# KiCad board fpga.kicad_pcb (continued)
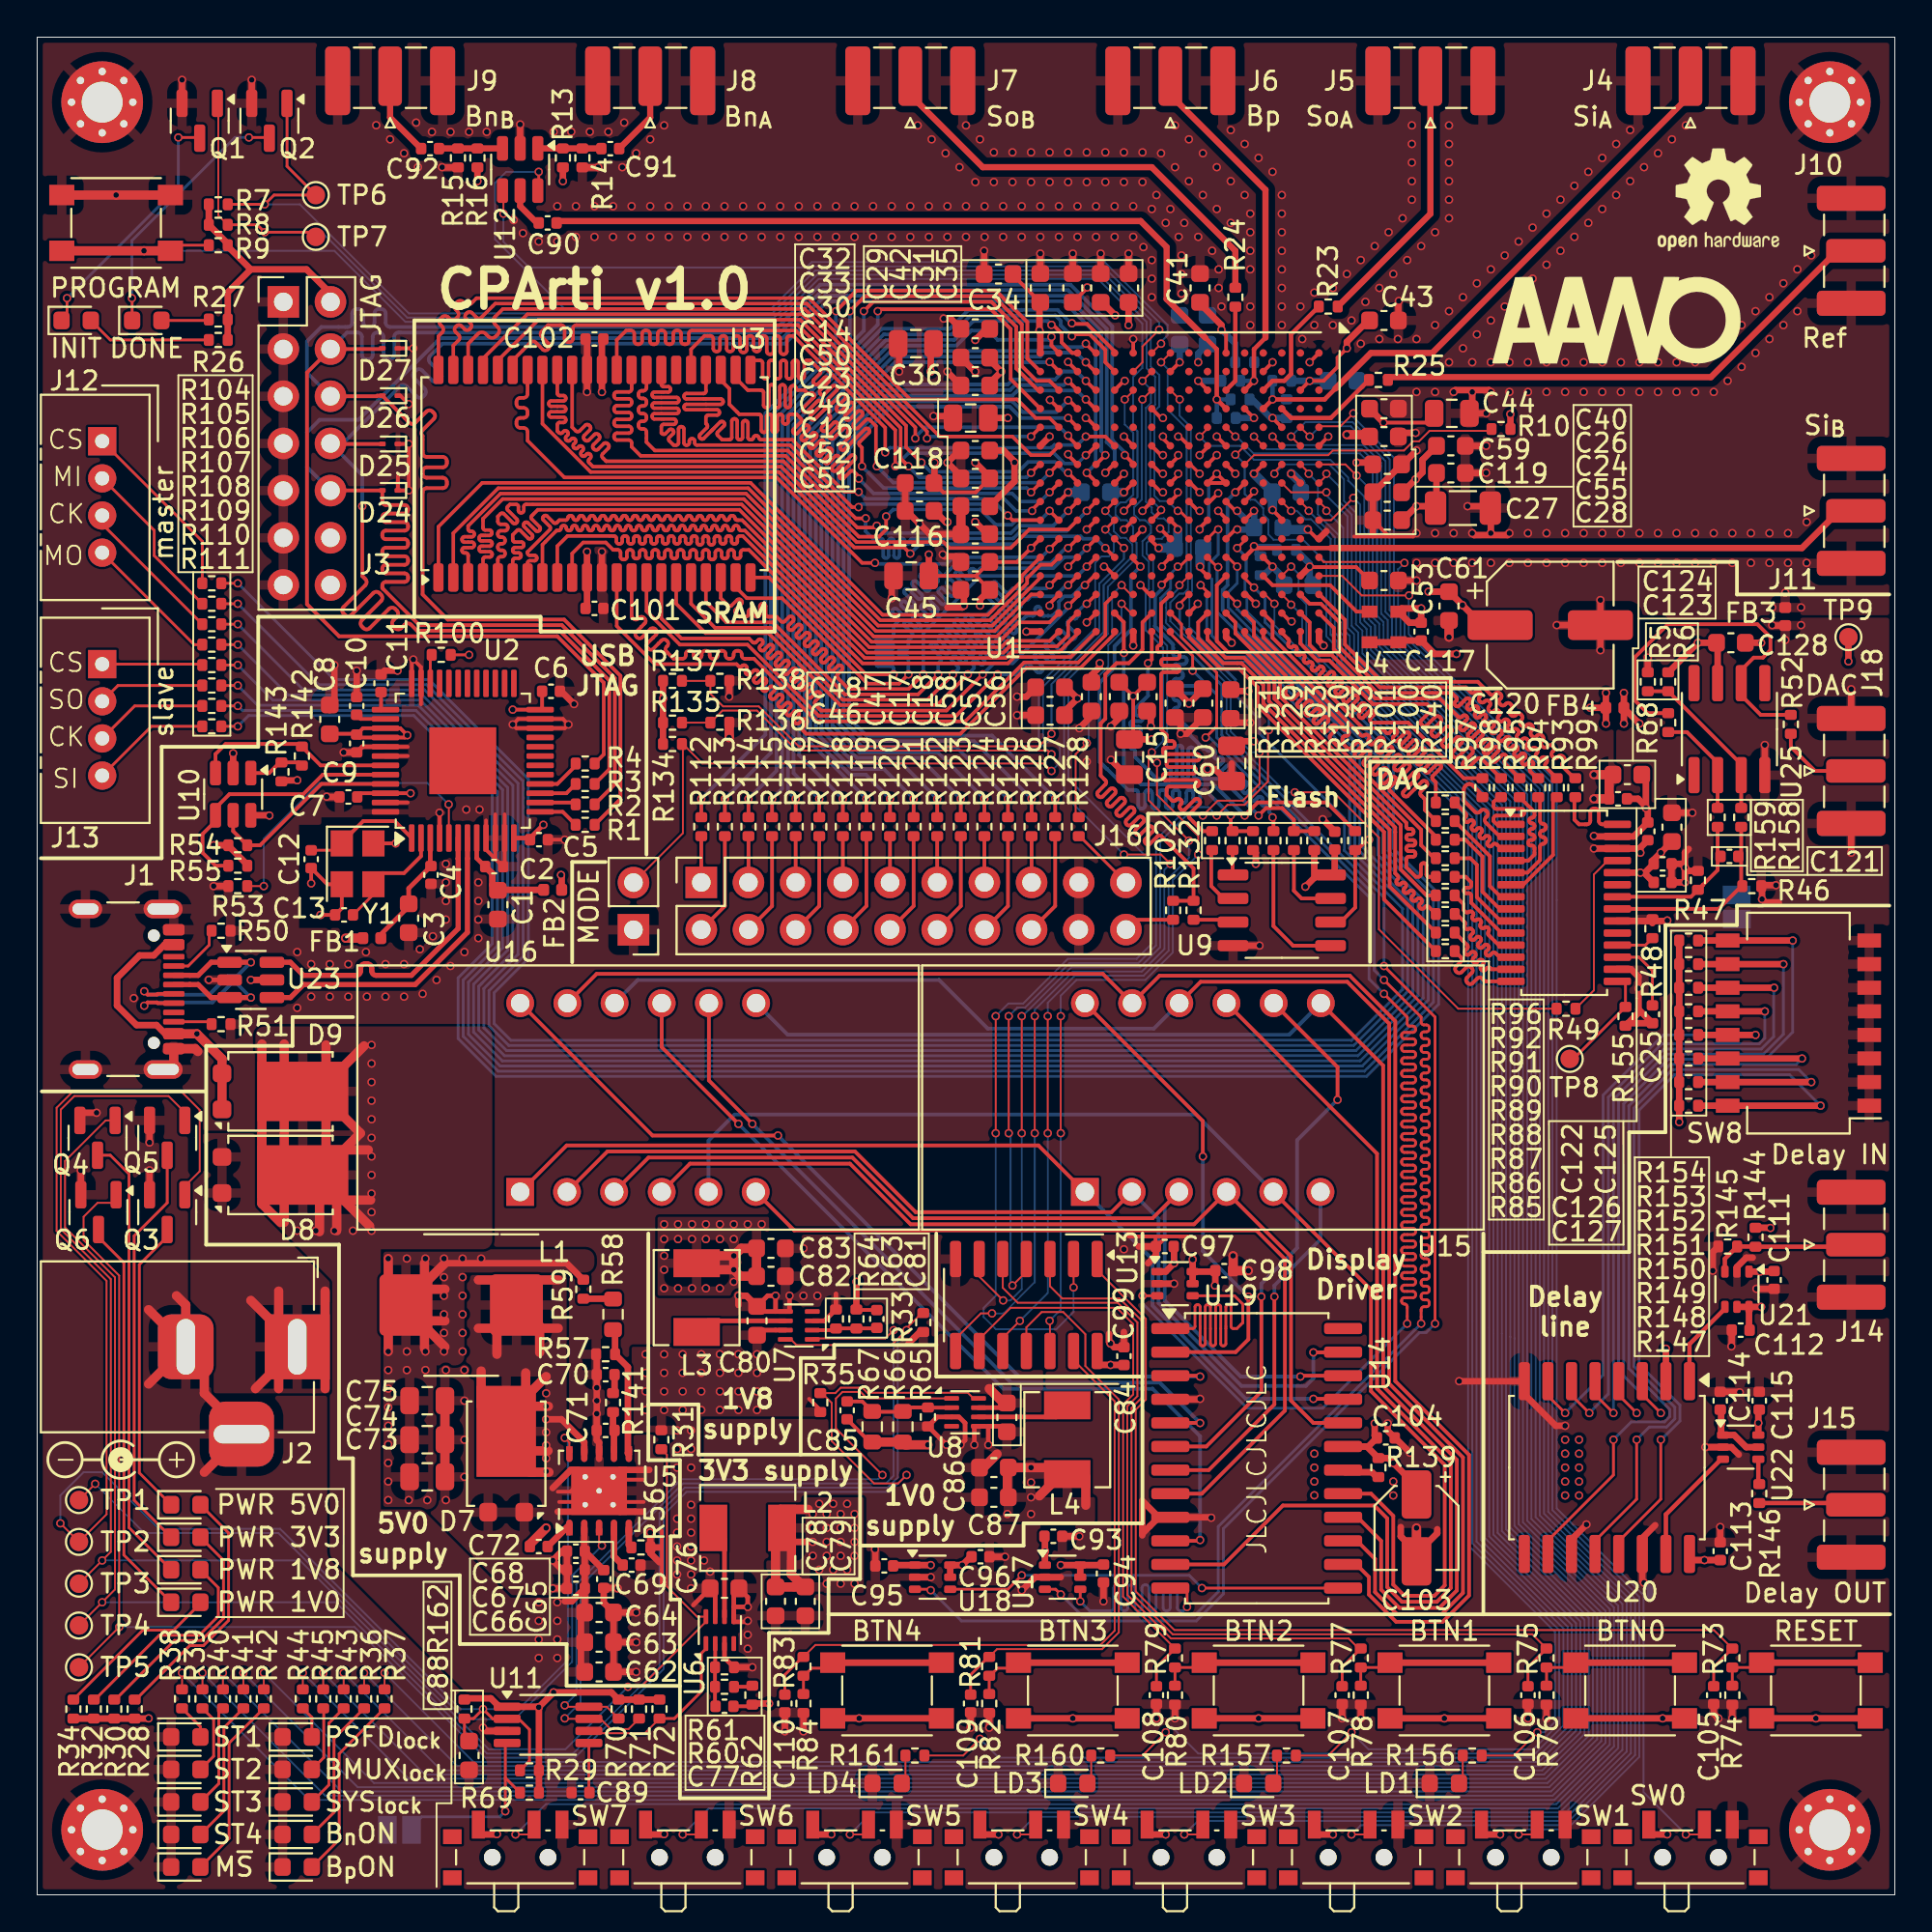
[diagram p0: board, top side]
## Routing (per net, layer and track width the routed paths; a pad name or vN(x,y) marks a point on that pad's centre or on a via; arc(x,y) is an arc through that point) (continued)
JTAG_TMS: length 97.1
  Top w0.199: U1.M7 57.95,77 v1(57.5,76.55) ; D27.2 18.54,83.21 J3.4 14.53,81.94 14.53,69.47 16.25,67.75 28,67.75 30.5,65.25 30.5,61.39 R4.2
  Bottom w0.199: v1(57.5,76.55) 58,77.05 58,77.77 57.57,78.2 57.57,84.3 55.5,86.38 42.28,86.38 40,84.1 19.45,84.1 arc(19.29,84.03) 19.22,83.87 19.22,82.89 arc(19.15,82.73) 18.99,82.66 18.87,82.66 arc(18.71,82.73) 18.64,82.89 18.64,83.87 arc(18.57,84.03) 18.41,84.1 18.29,84.1 arc(18.13,84.03) 18.06,83.87 18.06,82.89 arc(17.99,82.73) 17.83,82.66 17.71,82.66 arc(17.55,82.73) 17.48,82.89 17.48,83.87 arc(17.41,84.03) 17.25,84.1 16.68,84.1 J3.4
LED1: length 71.9
  Top w0.1: R156.1 79.5,7.5 v1(80.75,8.75) ; U1.D14 66.1,70 v1(66.6,69.5)
  Bottom w0.1: v1(66.6,69.5) 66.6,68.35 77.03,57.93 77.03,18.83 81.7,14.15 81.7,9.31 81.14,8.75 v1(80.75,8.75)
LED2: length 82.6
  Top w0.1: U1.C14 67.5,69.5 v1(67.5,69.45) ; v1(70.75,8.75) 69.5,7.5 R157.1
  Bottom w0.1: v1(70.75,8.75) 71.66,7.84 80.55,7.84 81.93,9.22 81.93,14.25 77.26,18.92 77.26,30.88 77.26,57.83 77.26,58.02 68.09,67.18 68.09,68.86 v1(67.5,69.45) 67.54,69.45
LED3: length 95.4
  Top w0.1: R160.1 59.5,7.5 v1(60.75,8.75) ; v1(67.5,71.5) U1.C13
  Bottom w0.1: v1(67.5,71.5) 67.9,71.1 67.9,69.9 68.32,69.48 68.32,67.28 77.48,58.11 77.48,19.02 82.16,14.34 82.16,9.12 80.64,7.61 62.5,7.61 61.05,9.05 v1(60.75,8.75)
LED4: length 113.8
  Top w0.1: v1(50.75,8.4) 49.85,7.5 R161.1 ; U1.E6 64.53,77.53 v1(64.5,77.53) 64.5,77.55
  Bottom w0.1: v1(50.75,8.4) 51.77,7.38 80.48,7.38 80.74,7.38 82.38,9.03 82.38,14.44 77.71,19.11 77.71,58.21 69.75,66.17 69.75,67.39 69.4,67.74 69.4,71.7 68.15,72.95 66.55,72.95 66.28,73.23 66.28,74.03 66,74.3 66,74.64 65.55,75.1 65.31,75.1 65,75.41 65,77.03 v1(64.5,77.53)
M~{S}: length 150.5
  Top w0.1: R42.1 v1(12.2,11.95) ; 69.4,76.4 U1.A8
  Top w0.15: v1(69.4,76.5) 69.4,76.4
  Bottom w0.1: v1(69.4,76.5) 70.12,75.78 70.12,74.94 70.76,74.3 70.76,68.31 71.11,67.96 71.11,66.73 79.07,58.77 79.07,19.68 83.75,15 83.75,8.47 81.3,6.02 18.13,6.02 v1(12.2,11.95)
PSFD_{lock}: length 148.8
  Top w0.1: R44.1 v1(14.3,11.95) ; U1.C8 67.5,75.5 v1(69.4,75.5)
  Bottom w0.1: v1(14.3,11.95) 20,6.25 81.21,6.25 83.52,8.56 83.52,14.91 78.85,19.58 78.85,30.22 78.85,58.68 70.88,66.64 70.88,67.86 70.53,68.21 70.53,74.21 69.4,75.34 v1(69.4,75.5)
SPIm_MISO: length 113
  Top w0.15: v1(62.63,70.5) 63,70.13 U1.G14 ; R105.1 v1(10.8,69.5)
  Bottom w0.15: v1(10.8,69.5) 15.16,65.14 20.96,65.14 26.16,59.95 26.16,50.51 24.32,48.67 24.32,46.79 25.39,45.72 70.87,45.72 73.78,48.63 73.78,53.2 70.65,56.33 70.65,61.14 65.14,66.64 63.99,66.64 62.96,67.67 62.96,70.17 v1(62.63,70.5)
SPIm_MOSI: length 113.8
  Top w0.15: U1.G12 63.53,71.47 v1(63.57,71.47) ; R107.1 v1(10.8,67.3)
  Bottom w0.15: 23.93,49.07 25.61,50.74 25.61,59.72 20.73,64.59 13.51,64.59 v1(10.8,67.3) ; 23.93,49.07 23.77,48.9 ; 23.93,49.07 23.77,48.9 23.77,46.56 25.16,45.17 71.1,45.17 74.33,48.4 74.33,53.43 71.2,56.56 71.2,61.37 63.52,69.05 63.52,71.42 v1(63.57,71.47)
SPIm_SCK: length 116.4
  Top w0.15: R106.1 v1(10.8,68.4) ; U1.G11 63.5,73.5 v1(63.57,73.5)
  Bottom w0.15: v1(63.57,73.5) 63.57,72.15 63.1,71.67 63.1,70.95 63.24,70.81 63.24,67.78 64.1,66.92 65.26,66.92 70.92,61.25 70.92,56.44 74.05,53.31 74.05,48.51 70.99,45.45 25.27,45.45 24.05,46.67 24.05,48.79 25.88,50.63 25.88,59.83 20.85,64.87 14.33,64.87 v1(10.8,68.4)
SPIm_~{CS}: length 111.7
  Top w0.15: 61.5,69.42 61.5,69.5 U1.H14 ; R104.1 v1(10.8,70.6)
  Bottom w0.15: 61.5,69.42 61.5,68.42 64.5,65.42 64.5,64.58 65.8,63.28 65.8,62.52 70.37,57.95 70.37,56.21 73.5,53.08 73.5,48.74 70.76,46 25.5,46 24.6,46.9 24.6,48.56 26.44,50.4 26.44,60.06 21.08,65.42 15.98,65.42 v1(10.8,70.6)
  vias: v1(61.5,69.4)
SPIs_MISO: length 111.6
  Top w0.15: R109.1 v1(10.8,65.1) ; U1.F14 64.1,70 v1(64.6,69.5)
  Bottom w0.15: v1(64.6,69.5) 64.6,69.21 72.46,61.36 72.46,56.09 74.88,53.66 74.88,48.17 71.33,44.61 24.93,44.61 23.22,46.33 23.22,49.13 25.05,50.97 25.05,59.49 20.51,64.04 11.86,64.04 v1(10.8,65.1)
SPIs_MOSI: length 113.1
  Top w0.15: U1.E13 65,70.88 v1(65.5,70.38) ; R111.1 v1(10.8,62.9)
  Bottom w0.15: v1(10.8,62.9) 11.38,63.48 20.28,63.48 24.5,59.26 24.5,51.2 22.66,49.36 22.66,46.1 24.7,44.06 71.56,44.06 75.44,47.94 75.44,53.89 73.01,56.32 73.01,61.59 66.1,68.5 66.1,69.78 v1(65.5,70.38)
SPIs_SCK: length 114.8
  Top w0.15: v1(64.6,72.5) 65,72.9 U1.E11 ; R110.1 v1(10.8,64)
  Bottom w0.15: v1(10.8,64) 11.04,63.76 20.39,63.76 24.78,59.37 24.78,51.09 22.94,49.25 22.94,46.21 24.81,44.34 71.45,44.34 75.16,48.05 75.16,53.77 72.73,56.2 72.73,61.47 65.12,69.09 65.12,70.08 65.02,70.18 65.02,70.92 65.08,70.98 65.08,72.02 v1(64.6,72.5)
SPIs_~{CS}: length 113.8
  Top w0.15: R108.1 v1(10.8,66.2) ; v1(64.6,71.5) 64.1,72 U1.F12
  Bottom w0.15: v1(64.6,71.5) 64.6,70.6 64.12,70.12 64.12,69.3 72.18,61.24 72.18,55.97 74.61,53.54 74.61,48.28 71.22,44.89 25.04,44.89 23.49,46.44 23.49,49.02 25.33,50.86 25.33,59.6 20.62,64.31 12.69,64.31 v1(10.8,66.2)
SRAM_A0: length 40.5
  Top w0.19: U1.T12 53,71 53,70.72 51.18,68.9 45.51,68.9 38.4,76.01 23.96,76.01 21.6,73.65 U3.1
SRAM_A1: length 40.5
  Top w0.19: U3.2 22.4,73.3 24.82,75.72 38.28,75.72 45.39,68.61 51.3,68.61 53.29,70.6 53.29,70.88 54.01,71.6 54.6,71.6 U1.R12
SRAM_A2: length 40.5
  Top w0.19: U3.3 23.2,72.12 arc(23.17,72.2) 23.08,72.24 22.99,72.24 arc(22.91,72.27) 22.87,72.35 22.87,72.41 arc(22.91,72.49) 22.99,72.53 23.41,72.53 arc(23.49,72.56) 23.53,72.64 23.53,72.7 arc(23.49,72.78) 23.41,72.82 22.99,72.82 arc(22.91,72.85) 22.87,72.93 22.87,72.99 arc(22.91,73.07) 22.99,73.11 23.41,73.11 arc(23.49,73.14) 23.53,73.22 23.53,73.28 arc(23.49,73.36) 23.41,73.4 23.32,73.4 arc(23.23,73.43) 23.2,73.51 23.2,73.69 24.94,75.43 38.16,75.43 45.27,68.32 51.42,68.32 54,70.9 U1.T13
SRAM_A3: length 40.5
  Top w0.19: U3.4 24,71.9 arc(24.03,71.98) 24.12,72.02 24.37,72.02 arc(24.46,72.05) 24.49,72.13 24.49,72.19 arc(24.46,72.27) 24.37,72.31 23.9,72.31 arc(23.83,72.34) 23.8,72.41 23.8,72.5 arc(23.83,72.57) 23.9,72.6 24.37,72.6 arc(24.45,72.63) 24.49,72.71 24.49,72.77 arc(24.45,72.85) 24.37,72.89 23.9,72.89 arc(23.83,72.92) 23.8,72.99 23.8,73.08 arc(23.83,73.15) 23.9,73.18 24.36,73.18 arc(24.44,73.21) 24.47,73.29 24.47,73.35 arc(24.44,73.43) 24.36,73.47 24.12,73.47 arc(24.03,73.5) 24,73.58 24,74.08 25.06,75.14 38.04,75.14 45.15,68.03 51.54,68.03 53.51,70 U1.T14
SRAM_A4: length 40.5
  Top w0.19: U3.5 24.8,71.89 arc(24.84,71.99) 24.94,72.03 25.04,72.03 arc(25.14,72.07) 25.18,72.17 25.18,72.24 arc(25.14,72.34) 25.04,72.38 24.94,72.38 arc(24.84,72.42) 24.8,72.52 24.8,72.59 arc(24.84,72.69) 24.94,72.73 25.04,72.73 arc(25.14,72.77) 25.18,72.87 25.18,72.94 arc(25.14,73.04) 25.04,73.08 24.94,73.08 arc(24.84,73.12) 24.8,73.22 24.8,73.29 arc(24.84,73.39) 24.94,73.43 25.19,73.43 arc(25.29,73.47) 25.33,73.57 25.33,73.64 arc(25.29,73.74) 25.19,73.78 24.94,73.78 arc(24.84,73.82) 24.8,73.92 24.8,74.2 24.95,74.35 arc(25.03,74.38) 25.11,74.35 25.62,73.84 arc(25.7,73.81) 25.79,73.84 25.83,73.88 arc(25.86,73.97) 25.83,74.05 25.32,74.56 arc(25.29,74.64) 25.32,74.72 25.45,74.85 25.79,74.85 arc(25.87,74.82) 25.91,74.73 25.91,74.52 arc(25.94,74.43) 26.02,74.4 26.08,74.4 arc(26.16,74.43) 26.2,74.52 26.2,74.73 arc(26.23,74.82) 26.31,74.85 37.92,74.85 45.03,67.74 51.66,67.74 52.92,69 U1.T15
SRAM_A5: length 37.4
  Top w0.19: U3.18 35.2,69.5 36.49,68.21 39.48,68.21 43.36,64.33 47.93,64.33 v1(49.3,65.7) ; U1.P13 v1(55.5,70.5)
  Bottom w0.19: v1(55.5,70.5) 55.4,70.5 54.8,69.9 53.5,69.9 53.33,69.73 arc(53.25,69.7) 53.16,69.73 52.92,69.98 arc(52.83,70.01) 52.75,69.98 52.71,69.94 arc(52.67,69.85) 52.71,69.77 52.95,69.52 arc(52.99,69.44) 52.95,69.35 52.91,69.31 arc(52.82,69.27) 52.74,69.31 52.42,69.62 arc(52.34,69.66) 52.25,69.62 52.21,69.58 arc(52.18,69.5) 52.21,69.41 52.53,69.1 arc(52.56,69.01) 52.53,68.93 52.48,68.88 arc(52.4,68.85) 52.32,68.88 52,69.2 arc(51.92,69.23) 51.83,69.2 51.79,69.16 arc(51.75,69.07) 51.79,68.99 52.1,68.67 arc(52.14,68.59) 52.1,68.5 52.06,68.46 arc(51.98,68.43) 51.89,68.46 51.58,68.78 arc(51.49,68.81) 51.41,68.78 51.36,68.73 arc(51.33,68.65) 51.36,68.56 51.68,68.25 arc(51.71,68.16) 51.68,68.08 51.64,68.04 arc(51.55,68) 51.47,68.04 51.15,68.35 arc(51.07,68.39) 50.98,68.35 50.94,68.31 arc(50.9,68.22) 50.94,68.14 51.25,67.82 arc(51.29,67.74) 51.25,67.65 51.21,67.61 arc(51.13,67.58) 51.04,67.61 50.73,67.93 arc(50.64,67.96) 50.56,67.93 50.52,67.88 arc(50.48,67.8) 50.52,67.71 50.83,67.4 arc(50.87,67.32) 50.83,67.23 50.79,67.19 arc(50.7,67.15) 50.62,67.19 50.3,67.5 arc(50.22,67.54) 50.13,67.5 50.09,67.46 arc(50.06,67.38) 50.09,67.29 50.41,66.98 arc(50.44,66.89) 50.41,66.81 50.36,66.76 arc(50.28,66.73) 50.19,66.76 49.88,67.08 arc(49.79,67.11) 49.71,67.08 49.67,67.04 arc(49.63,66.95) 49.67,66.87 49.98,66.55 arc(50.02,66.47) 49.98,66.38 49.94,66.34 arc(49.85,66.3) 49.77,66.34 49.45,66.65 arc(49.37,66.69) 49.28,66.65 49.24,66.61 arc(49.21,66.53) 49.24,66.44 49.56,66.13 arc(49.59,66.04) 49.56,65.96 v1(49.3,65.7)
SRAM_A6: length 37.4
  Top w0.19: v1(48.5,65.7) 47.42,64.62 43.48,64.62 39.6,68.5 37.1,68.5 36,69.6 U3.19 ; U1.R13 v1(54.5,70.5)
  Bottom w0.19: v1(54.5,70.5) 54.32,70.32 52.52,70.32 52.32,70.12 arc(52.24,70.08) 52.15,70.12 51.61,70.66 arc(51.53,70.69) 51.44,70.66 51.4,70.61 arc(51.37,70.53) 51.4,70.44 51.94,69.91 arc(51.97,69.82) 51.94,69.74 51.9,69.7 arc(51.81,69.66) 51.73,69.7 51.19,70.23 arc(51.11,70.27) 51.02,70.23 50.98,70.19 arc(50.94,70.1) 50.98,70.02 51.51,69.48 arc(51.55,69.4) 51.51,69.31 50.73,68.53 arc(50.64,68.49) 50.56,68.53 50.2,68.89 arc(50.12,68.92) 50.03,68.89 49.99,68.85 arc(49.95,68.76) 49.99,68.68 50.35,68.32 arc(50.38,68.23) 50.35,68.15 50.3,68.1 arc(50.22,68.07) 50.13,68.1 49.6,68.64 arc(49.51,68.68) 49.43,68.64 49.39,68.6 arc(49.35,68.51) 49.39,68.43 49.92,67.89 arc(49.96,67.81) 49.92,67.72 49.88,67.68 arc(49.8,67.65) 49.71,67.68 49.17,68.22 arc(49.09,68.25) 49.01,68.22 48.96,68.17 arc(48.93,68.09) 48.96,68 49.5,67.47 arc(49.53,67.38) 49.5,67.3 49.46,67.26 arc(49.37,67.22) 49.29,67.26 48.75,67.79 arc(48.67,67.83) 48.58,67.79 48.54,67.75 arc(48.5,67.66) 48.54,67.58 49.07,67.04 arc(49.11,66.96) 49.07,66.87 49.03,66.83 arc(48.95,66.8) 48.86,66.83 48.33,67.37 arc(48.24,67.4) 48.16,67.37 48.11,67.33 arc(48.08,67.24) 48.11,67.16 48.65,66.62 arc(48.69,66.53) 48.65,66.45 48.5,66.3 v1(48.5,65.7)
SRAM_A7: length 37.4
  Top w0.19: U3.20 36.8,69.8 37.2,69.4 arc(37.29,69.36) 37.38,69.4 37.69,69.72 arc(37.78,69.75) 37.87,69.72 37.91,69.67 arc(37.95,69.59) 37.91,69.5 37.59,69.18 arc(37.56,69.09) 37.59,69.01 37.8,68.8 38.16,68.8 arc(38.25,68.84) 38.28,68.92 38.28,69.07 arc(38.32,69.16) 38.41,69.2 38.47,69.2 arc(38.56,69.16) 38.59,69.07 38.59,68.92 arc(38.63,68.84) 38.72,68.8 38.78,68.8 arc(38.87,68.84) 38.9,68.92 38.9,69.37 arc(38.94,69.46) 39.03,69.5 39.09,69.5 arc(39.18,69.46) 39.21,69.37 39.21,68.92 arc(39.25,68.84) 39.34,68.8 39.8,68.8 40.05,68.55 arc(40.14,68.51) 40.23,68.55 40.48,68.79 arc(40.56,68.83) 40.65,68.79 40.7,68.75 arc(40.73,68.66) 40.7,68.57 40.45,68.33 arc(40.41,68.24) 40.45,68.15 40.49,68.11 arc(40.58,68.07) 40.67,68.11 40.92,68.35 arc(41,68.39) 41.09,68.35 41.13,68.31 arc(41.17,68.22) 41.13,68.14 40.89,67.89 arc(40.85,67.8) 40.89,67.71 40.93,67.67 arc(41.02,67.63) 41.11,67.67 41.35,67.92 arc(41.44,67.95) 41.53,67.92 41.57,67.87 arc(41.61,67.78) 41.57,67.7 41.33,67.45 arc(41.29,67.36) 41.33,67.27 41.37,67.23 arc(41.46,67.19) 41.55,67.23 41.79,67.48 arc(41.88,67.51) 41.97,67.48 42.01,67.43 arc(42.05,67.35) 42.01,67.26 41.76,67.01 arc(41.73,66.92) 41.76,66.84 41.81,66.79 arc(41.9,66.76) 41.98,66.79 42.23,67.04 arc(42.32,67.08) 42.41,67.04 42.45,67 arc(42.49,66.91) 42.45,66.82 42.2,66.57 arc(42.17,66.48) 42.2,66.4 42.25,66.35 arc(42.33,66.32) 42.42,66.35 42.67,66.6 arc(42.76,66.64) 42.84,66.6 42.89,66.56 arc(42.92,66.47) 42.89,66.38 42.64,66.13 arc(42.6,66.05) 42.64,65.96 42.68,65.92 arc(42.77,65.88) 42.86,65.92 43.11,66.16 arc(43.2,66.2) 43.28,66.16 43.33,66.12 arc(43.36,66.03) 43.33,65.94 43.08,65.7 arc(43.04,65.61) 43.08,65.52 43.69,64.91 46.91,64.91 v1(47.7,65.7) ; U1.N12 v1(56.5,71.5)
  Bottom w0.19: v1(47.7,65.7) 47.7,67.92 50.78,71 56,71 v1(56.5,71.5)
SRAM_A8: length 37.5
  Top w0.19: U1.N11 v1(56.5,72.5) ; U3.21 37.6,70.4 38.2,69.8 40.1,69.8 44.7,65.2 46.4,65.2 v1(46.9,65.7)
  Bottom w0.19: v1(56.5,72.5) 56,72 55.28,72 54.7,71.42 50.79,71.42 50.67,71.3 arc(50.58,71.26) 50.49,71.3 50.44,71.36 arc(50.35,71.4) 50.26,71.36 50.21,71.31 arc(50.17,71.22) 50.21,71.13 50.27,71.08 arc(50.31,70.99) 50.27,70.89 50.22,70.85 arc(50.13,70.81) 50.04,70.85 49.67,71.23 arc(49.58,71.26) 49.48,71.23 49.44,71.18 arc(49.4,71.09) 49.44,71 49.82,70.62 arc(49.85,70.53) 49.82,70.44 49.77,70.4 arc(49.68,70.36) 49.59,70.4 49.21,70.77 arc(49.12,70.81) 49.03,70.77 48.99,70.73 arc(48.95,70.64) 48.99,70.55 49.36,70.17 arc(49.4,70.08) 49.36,69.99 49.32,69.94 arc(49.23,69.91) 49.14,69.94 48.76,70.32 arc(48.67,70.36) 48.58,70.32 48.53,70.27 arc(48.5,70.18) 48.53,70.09 48.91,69.72 arc(48.95,69.63) 48.91,69.54 48.86,69.49 arc(48.77,69.45) 48.68,69.49 48.31,69.87 arc(48.22,69.91) 48.13,69.87 48.08,69.82 arc(48.04,69.73) 48.08,69.64 48.46,69.27 arc(48.49,69.18) 48.46,69.08 48.41,69.04 arc(48.32,69) 48.23,69.04 47.82,69.45 arc(47.73,69.49) 47.64,69.45 47.59,69.41 arc(47.56,69.31) 47.59,69.22 48,68.81 arc(48.04,68.72) 48,68.63 47.96,68.59 arc(47.87,68.55) 47.78,68.59 47.37,69 arc(47.28,69.04) 47.19,69 47.14,68.95 arc(47.1,68.86) 47.14,68.77 47.55,68.36 arc(47.59,68.27) 47.55,68.18 47.51,68.13 arc(47.42,68.1) 47.33,68.13 46.92,68.55 arc(46.82,68.58) 46.73,68.55 46.69,68.5 arc(46.65,68.41) 46.69,68.32 47.1,67.91 arc(47.14,67.82) 47.1,67.73 46.9,67.53 46.9,67.16 arc(46.86,67.07) 46.77,67.03 46.49,67.03 arc(46.4,66.99) 46.36,66.9 46.36,66.84 arc(46.4,66.75) 46.49,66.71 46.77,66.71 arc(46.86,66.67) 46.9,66.58 v1(46.9,65.7)
SRAM_A9: length 37.4
  Top w0.19: v1(46.1,65.7) 44.61,65.7 39.4,70.91 U3.22 ; U1.P11 v1(55.5,72.5)
  Bottom w0.19: v1(55.5,72.5) 55.37,72.5 54.58,71.71 49.51,71.71 48.85,71.05 arc(48.77,71.02) 48.68,71.05 48.46,71.27 arc(48.38,71.3) 48.29,71.27 48.25,71.23 arc(48.22,71.14) 48.25,71.06 48.47,70.84 arc(48.5,70.75) 48.47,70.67 48.43,70.63 arc(48.34,70.59) 48.26,70.63 47.76,71.13 arc(47.67,71.16) 47.59,71.13 47.54,71.08 arc(47.51,71) 47.54,70.91 48.04,70.41 arc(48.08,70.33) 48.04,70.24 48,70.2 arc(47.92,70.17) 47.83,70.2 47.33,70.7 arc(47.25,70.74) 47.16,70.7 47.12,70.66 arc(47.09,70.57) 47.12,70.49 47.62,69.99 arc(47.66,69.91) 47.62,69.82 47.58,69.78 arc(47.49,69.74) 47.41,69.78 46.91,70.28 arc(46.82,70.31) 46.74,70.28 46.7,70.24 arc(46.66,70.15) 46.7,70.07 47.2,69.57 arc(47.23,69.48) 47.2,69.4 47.15,69.35 arc(47.07,69.32) 46.98,69.35 46.73,69.61 arc(46.65,69.64) 46.56,69.61 46.52,69.56 arc(46.48,69.48) 46.52,69.39 46.77,69.14 arc(46.81,69.06) 46.77,68.97 46.73,68.93 arc(46.64,68.89) 46.56,68.93 46.27,69.22 arc(46.19,69.25) 46.1,69.22 46.06,69.17 arc(46.02,69.09) 46.06,69 46.35,68.72 arc(46.38,68.63) 46.35,68.55 46.1,68.3 46.1,67.76 arc(46.06,67.68) 45.98,67.64 45.27,67.64 arc(45.19,67.61) 45.15,67.52 45.15,67.46 arc(45.19,67.38) 45.27,67.34 45.98,67.34 arc(46.06,67.31) 46.1,67.22 46.1,67.16 arc(46.06,67.08) 45.98,67.04 45.27,67.04 arc(45.19,67.01) 45.15,66.92 45.15,66.86 arc(45.19,66.78) 45.27,66.74 45.98,66.74 arc(46.06,66.71) 46.1,66.62 46.1,66.56 arc(46.06,66.48) 45.98,66.44 45.27,66.44 arc(45.19,66.41) 45.15,66.32 45.15,66.26 arc(45.19,66.18) 45.27,66.14 45.98,66.14 arc(46.06,66.11) 46.1,66.02 v1(46.1,65.7)
SRAM_A10: length 37.5
  Top w0.19: v1(54.5,76.55) 54.95,77 U1.R7 ; U3.23 38.4,82.6 38.92,82.6 arc(39.01,82.56) 39.05,82.47 39.05,81.74 arc(39.09,81.65) 39.18,81.61 39.24,81.61 arc(39.33,81.65) 39.37,81.74 39.37,82.47 arc(39.41,82.56) 39.5,82.6 39.56,82.6 arc(39.65,82.56) 39.69,82.47 39.69,81.74 arc(39.73,81.65) 39.82,81.61 39.88,81.61 arc(39.97,81.65) 40.01,81.74 40.01,82.47 arc(40.05,82.56) 40.14,82.6 40.2,82.6 arc(40.29,82.56) 40.33,82.47 40.33,81.74 arc(40.37,81.65) 40.46,81.61 40.52,81.61 arc(40.61,81.65) 40.65,81.74 40.65,82.47 arc(40.69,82.56) 40.78,82.6 40.84,82.6 arc(40.93,82.56) 40.97,82.47 40.97,81.74 arc(41.01,81.65) 41.1,81.61 41.16,81.61 arc(41.25,81.65) 41.29,81.74 41.29,82.47 arc(41.33,82.56) 41.42,82.6 41.62,82.6 42.14,82.08 arc(42.18,81.99) 42.14,81.9 41.8,81.56 arc(41.76,81.46) 41.8,81.37 41.85,81.33 arc(41.94,81.29) 42.03,81.33 42.37,81.67 arc(42.46,81.71) 42.55,81.67 42.59,81.62 arc(42.63,81.53) 42.59,81.44 42.15,81 arc(42.11,80.91) 42.15,80.82 42.19,80.77 arc(42.28,80.73) 42.37,80.77 42.82,81.22 arc(42.91,81.25) 43,81.22 43.05,81.17 arc(43.08,81.08) 43.05,80.99 42.6,80.54 arc(42.56,80.45) 42.6,80.36 42.65,80.32 arc(42.74,80.28) 42.83,80.32 43.27,80.76 arc(43.36,80.8) 43.45,80.76 43.5,80.72 arc(43.54,80.63) 43.5,80.54 43.05,80.09 arc(43.02,80) 43.05,79.91 43.1,79.87 arc(43.19,79.83) 43.28,79.87 43.73,80.31 arc(43.82,80.35) 43.91,80.31 43.95,80.27 arc(43.99,80.18) 43.95,80.09 43.51,79.64 arc(43.47,79.55) 43.51,79.46 43.55,79.41 arc(43.64,79.38) 43.73,79.41 44.18,79.86 arc(44.27,79.9) 44.36,79.86 44.41,79.81 arc(44.44,79.72) 44.41,79.63 43.96,79.19 arc(43.92,79.1) 43.96,79.01 44,78.96 arc(44.09,78.92) 44.18,78.96 44.63,79.41 arc(44.72,79.44) 44.81,79.41 45.15,79.07 45.15,76.95 v1(45.2,76.9)
  Bottom w0.19: v1(54.5,76.55) 53.97,76.02 46.08,76.02 v1(45.2,76.9)
SRAM_A11: length 37.4
  Top w0.19: U3.24 37.6,81.65 38.25,81 38.99,81 arc(39.07,80.97) 39.1,80.88 39.1,80.18 arc(39.14,80.1) 39.22,80.07 39.28,80.07 arc(39.36,80.1) 39.39,80.18 39.39,81.17 arc(39.43,81.25) 39.51,81.28 39.57,81.28 arc(39.65,81.25) 39.68,81.17 39.68,80.18 arc(39.72,80.1) 39.8,80.07 39.86,80.07 arc(39.94,80.1) 39.97,80.18 39.97,81.17 arc(40.01,81.25) 40.09,81.28 40.15,81.28 arc(40.23,81.25) 40.26,81.17 40.26,80.18 arc(40.3,80.1) 40.38,80.07 40.44,80.07 arc(40.52,80.1) 40.55,80.18 40.55,81.12 arc(40.59,81.2) 40.67,81.23 40.73,81.23 arc(40.81,81.2) 40.84,81.12 40.84,81.12 arc(40.88,81.03) 40.96,81 41.3,81 41.47,80.83 arc(41.54,80.8) 41.61,80.83 arc(41.68,80.86) 41.75,80.83 41.82,80.77 arc(41.85,80.69) 41.82,80.62 41.23,80.04 arc(41.2,79.96) 41.23,79.87 41.27,79.83 arc(41.36,79.8) 41.44,79.83 42.02,80.42 arc(42.09,80.45) 42.16,80.42 42.23,80.35 arc(42.26,80.28) 42.23,80.21 41.64,79.62 arc(41.6,79.54) 41.64,79.46 41.68,79.42 arc(41.76,79.39) 41.84,79.42 42.43,80.01 arc(42.5,80.04) 42.57,80.01 42.64,79.94 arc(42.67,79.87) 42.64,79.8 arc(42.61,79.73) 42.64,79.66 42.68,79.62 arc(42.71,79.54) 42.68,79.46 42.24,79.02 arc(42.21,78.93) 42.24,78.85 42.28,78.81 arc(42.36,78.78) 42.44,78.81 42.88,79.25 arc(42.97,79.29) 43.05,79.25 43.09,79.21 arc(43.12,79.13) 43.09,79.05 42.65,78.61 arc(42.62,78.52) 42.65,78.44 42.69,78.4 arc(42.77,78.37) 42.85,78.4 43.45,78.99 arc(43.52,79.02) 43.59,78.99 43.65,78.93 arc(43.68,78.86) 43.65,78.79 arc(43.62,78.72) 43.65,78.65 43.69,78.61 arc(43.73,78.52) 43.69,78.44 43.25,78 arc(43.22,77.92) 43.25,77.84 43.29,77.8 arc(43.37,77.76) 43.46,77.8 44.58,78.91 arc(44.66,78.95) 44.74,78.91 44.78,78.87 arc(44.81,78.79) 44.78,78.71 44.27,78.2 arc(44.23,78.11) 44.27,78.03 44.4,77.9 v1(44.4,76.9) ; U1.T8 v1(53.5,75.5)
  Bottom w0.19: v1(44.4,76.9) 45.57,75.73 53.27,75.73 v1(53.5,75.5)
SRAM_A12: length 37.5
  Top w0.19: U1.R8 v1(54.5,75.5) ; v1(44.23,76.23) 44.23,76.35 43.95,76.63 arc(43.87,76.66) 43.79,76.63 43.41,76.25 arc(43.33,76.22) 43.24,76.25 43.2,76.29 arc(43.17,76.37) 43.2,76.45 44.02,77.27 arc(44.05,77.35) 44.02,77.44 43.98,77.48 arc(43.9,77.51) 43.82,77.48 43,76.66 arc(42.92,76.63) 42.83,76.66 42.79,76.7 arc(42.76,76.78) 42.79,76.86 43.17,77.24 arc(43.21,77.33) 43.17,77.41 43.13,77.45 arc(43.05,77.48) 42.97,77.45 42.59,77.07 arc(42.51,77.04) 42.42,77.07 42.38,77.11 arc(42.35,77.19) 42.38,77.28 42.76,77.65 arc(42.8,77.74) 42.76,77.82 42.72,77.86 arc(42.64,77.89) 42.56,77.86 42.18,77.48 arc(42.1,77.45) 42.01,77.48 41.97,77.52 arc(41.94,77.6) 41.97,77.69 42.35,78.06 arc(42.39,78.15) 42.35,78.23 42.31,78.27 arc(42.23,78.3) 42.15,78.27 41.77,77.89 arc(41.69,77.86) 41.6,77.89 41.56,77.93 arc(41.53,78.01) 41.56,78.1 41.94,78.47 arc(41.98,78.56) 41.94,78.64 41.9,78.68 arc(41.82,78.71) 41.74,78.68 41.36,78.3 arc(41.28,78.27) 41.19,78.3 41.15,78.34 arc(41.12,78.42) 41.15,78.51 41.53,78.88 arc(41.57,78.97) 41.53,79.05 41.49,79.09 arc(41.41,79.12) 41.33,79.09 40.91,78.68 arc(40.83,78.64) 40.75,78.68 40.71,78.72 arc(40.67,78.8) 40.71,78.88 41.12,79.3 arc(41.16,79.38) 41.12,79.46 40.88,79.7 40.54,79.7 arc(40.46,79.67) 40.43,79.58 40.43,79.3 arc(40.39,79.22) 40.31,79.18 40.25,79.18 arc(40.17,79.22) 40.14,79.3 40.14,79.58 arc(40.1,79.67) 40.02,79.7 39.96,79.7 arc(39.88,79.67) 39.85,79.58 39.85,78.85 arc(39.81,78.77) 39.73,78.73 39.67,78.73 arc(39.59,78.77) 39.56,78.85 39.56,79.58 arc(39.52,79.67) 39.44,79.7 39.38,79.7 arc(39.3,79.67) 39.27,79.58 39.27,78.85 arc(39.23,78.77) 39.15,78.73 39.09,78.73 arc(39.01,78.77) 38.98,78.85 38.98,79.58 arc(38.94,79.67) 38.86,79.7 37.8,79.7 37.27,80.23 37.27,81.07 36.8,81.54 U3.25
  Bottom w0.19: v1(44.23,76.23) 45.02,75.44 52.49,75.44 52.93,75 54,75 v1(54.5,75.5)
SRAM_A13: length 37.4
  Top w0.19: v1(44.22,75.52) 43.46,75.52 40.65,78.33 38.96,78.33 arc(38.88,78.36) 38.85,78.44 arc(38.82,78.51) 38.74,78.55 38.67,78.55 arc(38.59,78.51) 38.56,78.44 arc(38.53,78.36) 38.45,78.33 38.38,78.33 arc(38.3,78.36) 38.26,78.45 38.26,79.24 arc(38.23,79.32) 38.15,79.35 38.09,79.35 arc(38.01,79.32) 37.97,79.24 37.97,78.45 arc(37.94,78.36) 37.86,78.33 37.8,78.33 arc(37.72,78.36) 37.68,78.45 37.68,79.34 arc(37.65,79.42) 37.57,79.45 37.51,79.45 arc(37.43,79.42) 37.39,79.34 37.39,78.45 arc(37.36,78.36) 37.28,78.33 36.87,78.33 36.63,78.57 arc(36.6,78.65) 36.63,78.73 36.98,79.08 arc(37.01,79.16) 36.98,79.25 36.94,79.29 arc(36.85,79.32) 36.77,79.29 35.88,78.39 arc(35.8,78.36) 35.71,78.39 35.67,78.43 arc(35.64,78.52) 35.67,78.6 36.06,78.98 arc(36.09,79.06) 36.06,79.14 36,79.2 36,79.54 arc(36.03,79.62) 36.12,79.66 36.61,79.66 arc(36.69,79.69) 36.72,79.77 36.72,79.83 arc(36.69,79.91) 36.61,79.95 34.94,79.95 arc(34.86,79.98) 34.83,80.06 34.83,80.12 arc(34.86,80.2) 34.94,80.24 36.81,80.24 arc(36.89,80.27) 36.92,80.35 36.92,80.41 arc(36.89,80.49) 36.81,80.53 34.94,80.53 arc(34.86,80.56) 34.83,80.64 34.83,80.7 arc(34.86,80.78) 34.94,80.82 35.88,80.82 arc(35.97,80.85) 36,80.93 U3.26 ; v1(53.56,74.5) 53.56,74.56 U1.T9
  Bottom w0.19: v1(44.22,75.52) 44.59,75.15 52.05,75.15 52.7,74.5 v1(53.56,74.5)
SRAM_A14: length 37.4
  Top w0.19: v1(56.45,78.5) 57.5,78.5 U1.M6 ; U3.27 35.2,83.2 35.92,83.92 36.25,83.92 arc(36.35,83.88) 36.4,83.78 36.4,83.23 arc(36.44,83.13) 36.54,83.08 36.61,83.08 arc(36.71,83.13) 36.76,83.23 36.76,83.78 arc(36.8,83.88) 36.9,83.92 36.97,83.92 arc(37.07,83.88) 37.12,83.78 37.12,83.23 arc(37.16,83.13) 37.26,83.08 37.33,83.08 arc(37.43,83.13) 37.48,83.23 37.48,83.78 arc(37.52,83.88) 37.62,83.92 37.69,83.92 arc(37.79,83.88) 37.84,83.78 37.84,83.18 arc(37.88,83.08) 37.98,83.03 38.05,83.03 arc(38.15,83.08) 38.2,83.18 38.2,83.78 arc(38.24,83.88) 38.34,83.92 38.41,83.92 arc(38.51,83.88) 38.56,83.78 38.56,83.23 arc(38.6,83.13) 38.7,83.08 38.77,83.08 arc(38.87,83.13) 38.92,83.23 38.92,83.78 arc(38.96,83.88) 39.06,83.92 39.13,83.92 arc(39.23,83.88) 39.28,83.78 39.28,83.08 arc(39.32,82.98) 39.42,82.93 39.49,82.93 arc(39.59,82.98) 39.64,83.08 39.64,83.78 arc(39.68,83.88) 39.78,83.92 39.85,83.92 arc(39.95,83.88) 40,83.78 40,83.08 arc(40.04,82.98) 40.14,82.93 40.21,82.93 arc(40.31,82.98) 40.36,83.08 40.36,83.78 arc(40.4,83.88) 40.5,83.92 40.71,83.92 45.65,78.98 v1(45.65,77.65)
  Bottom w0.19: v1(45.65,77.65) 45.9,77.9 54.6,77.9 54.76,78.05 56,78.05 v1(56.45,78.5)
SRAM_A15: length 37.4
  Top w0.19: U1.T5 v1(53.5,78.5) ; U3.42 23.2,83.5 23.73,84.03 arc(23.94,84.12) 24.14,84.03 24.28,83.89 arc(24.48,83.81) 24.69,83.89 24.79,84 arc(24.87,84.2) 24.79,84.4 24.65,84.54 arc(24.57,84.75) 24.65,84.95 25.07,85.37 41.31,85.37 47.9,78.78 v1(47.9,78.4)
  Bottom w0.19: v1(47.9,78.4) 48,78.5 53.5,78.5 v1(53.5,78.5)
SRAM_A16: length 40.5
  Top w0.19: U1.R6 54.5,77.5 53.5,77.5 52.5,78.5 48.59,78.5 41.43,85.66 24.66,85.66 23.91,84.91 arc(23.78,84.86) 23.65,84.91 23.4,85.16 arc(23.27,85.22) 23.15,85.16 23.08,85.1 arc(23.03,84.97) 23.08,84.85 23.34,84.59 arc(23.39,84.46) 23.34,84.34 23.27,84.27 arc(23.15,84.22) 23.02,84.27 22.83,84.46 arc(22.71,84.51) 22.58,84.46 22.52,84.39 arc(22.46,84.27) 22.52,84.14 22.7,83.95 arc(22.75,83.83) 22.7,83.7 22.4,83.4 U3.43
SRAM_A17: length 40.5
  Top w0.19: U1.R5 54.5,79.5 53.75,79.5 52.75,80.5 47,80.5 41.55,85.95 23.65,85.95 23.36,85.66 arc(23.19,85.59) 23.03,85.66 22.94,85.75 arc(22.78,85.81) 22.61,85.75 22.53,85.66 arc(22.46,85.5) 22.53,85.34 22.62,85.25 arc(22.69,85.08) 22.62,84.92 22.54,84.84 arc(22.37,84.77) 22.21,84.84 22.12,84.93 arc(21.96,84.99) 21.79,84.93 21.71,84.84 arc(21.64,84.68) 21.71,84.52 21.8,84.43 arc(21.87,84.26) 21.8,84.1 21.6,83.9 U3.44
SRAM_CE: length 40.5
  Top w0.19: U3.6 25.6,71.83 arc(25.63,71.92) 25.72,71.95 25.93,71.95 arc(26.01,71.98) 26.04,72.07 26.04,72.12 arc(26.01,72.21) 25.93,72.24 25.72,72.24 arc(25.63,72.27) 25.6,72.36 25.6,72.41 arc(25.63,72.5) 25.72,72.53 26.08,72.53 arc(26.16,72.56) 26.19,72.65 26.19,72.7 arc(26.16,72.79) 26.08,72.82 25.72,72.82 arc(25.63,72.85) 25.6,72.94 25.6,73.21 25.84,73.45 arc(25.92,73.48) 26,73.45 26.44,73.02 arc(26.52,72.98) 26.6,73.02 26.64,73.06 arc(26.68,73.14) 26.64,73.22 26.21,73.66 arc(26.18,73.74) 26.21,73.82 26.25,73.86 arc(26.33,73.89) 26.41,73.86 26.85,73.43 arc(26.93,73.39) 27.01,73.43 27.05,73.47 arc(27.09,73.55) 27.05,73.63 26.62,74.07 arc(26.59,74.15) 26.62,74.23 26.95,74.56 37.8,74.56 44.91,67.45 51.78,67.45 52.83,68.5 54.5,68.5 U1.R15